# Altium PCB OR_TM2Space.PcbDoc (part 1 of 2)
Units mm, origin at the board's own origin, x right, y up, seen from the top; angles counter-clockwise.
Board outline 85.22 x 90.15 mm, 4 copper layers (Top Layer, GND1, GND2, Bottom Layer), stack 1.647 mm thick; 103 components, 73 nets, 476 pads, 666 vias.
Unrouted connection lines stored in the file: 103.
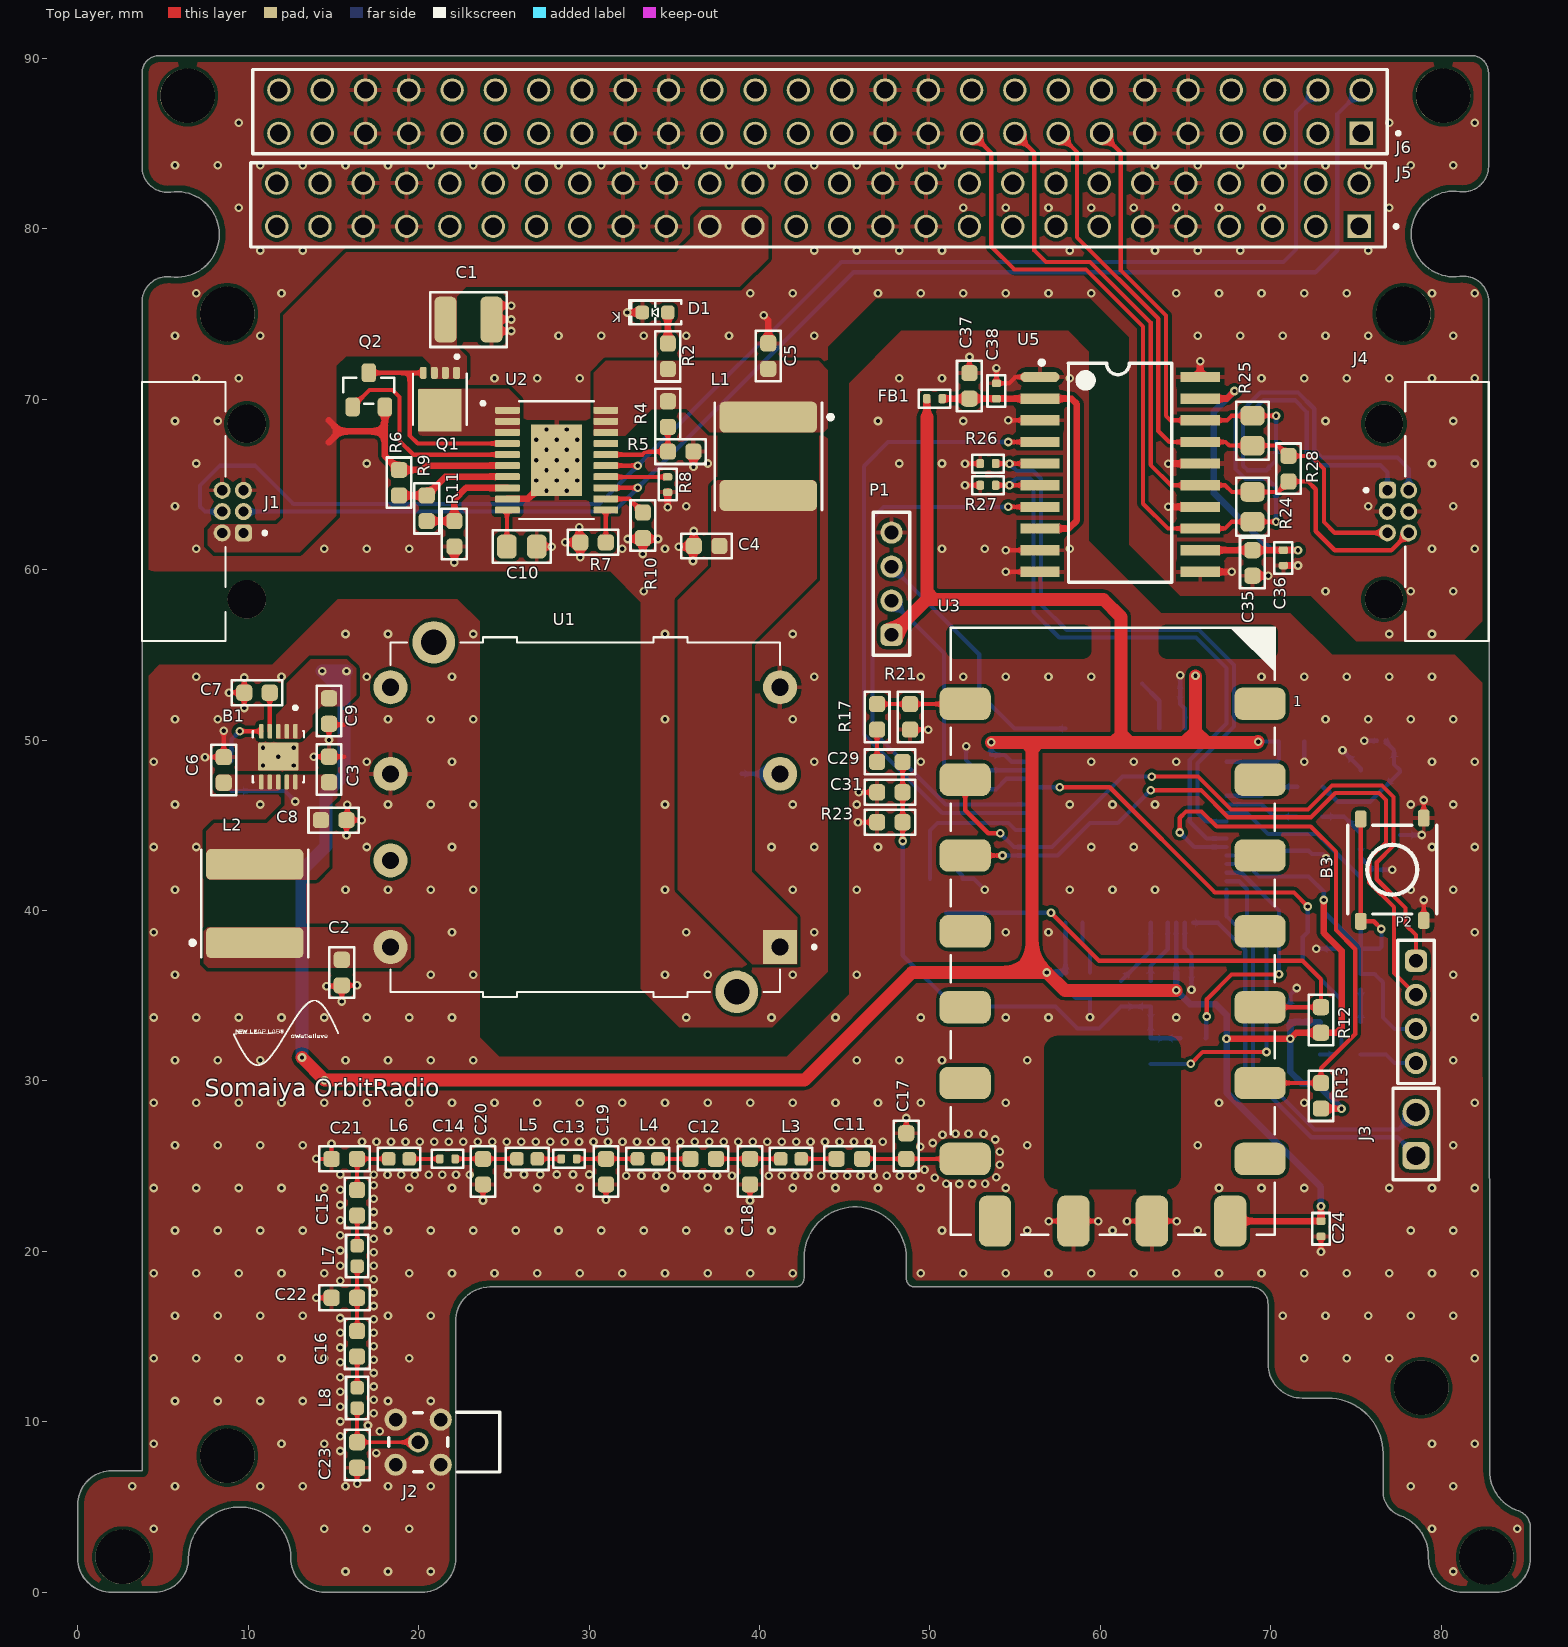
[diagram p0: Top Layer view]
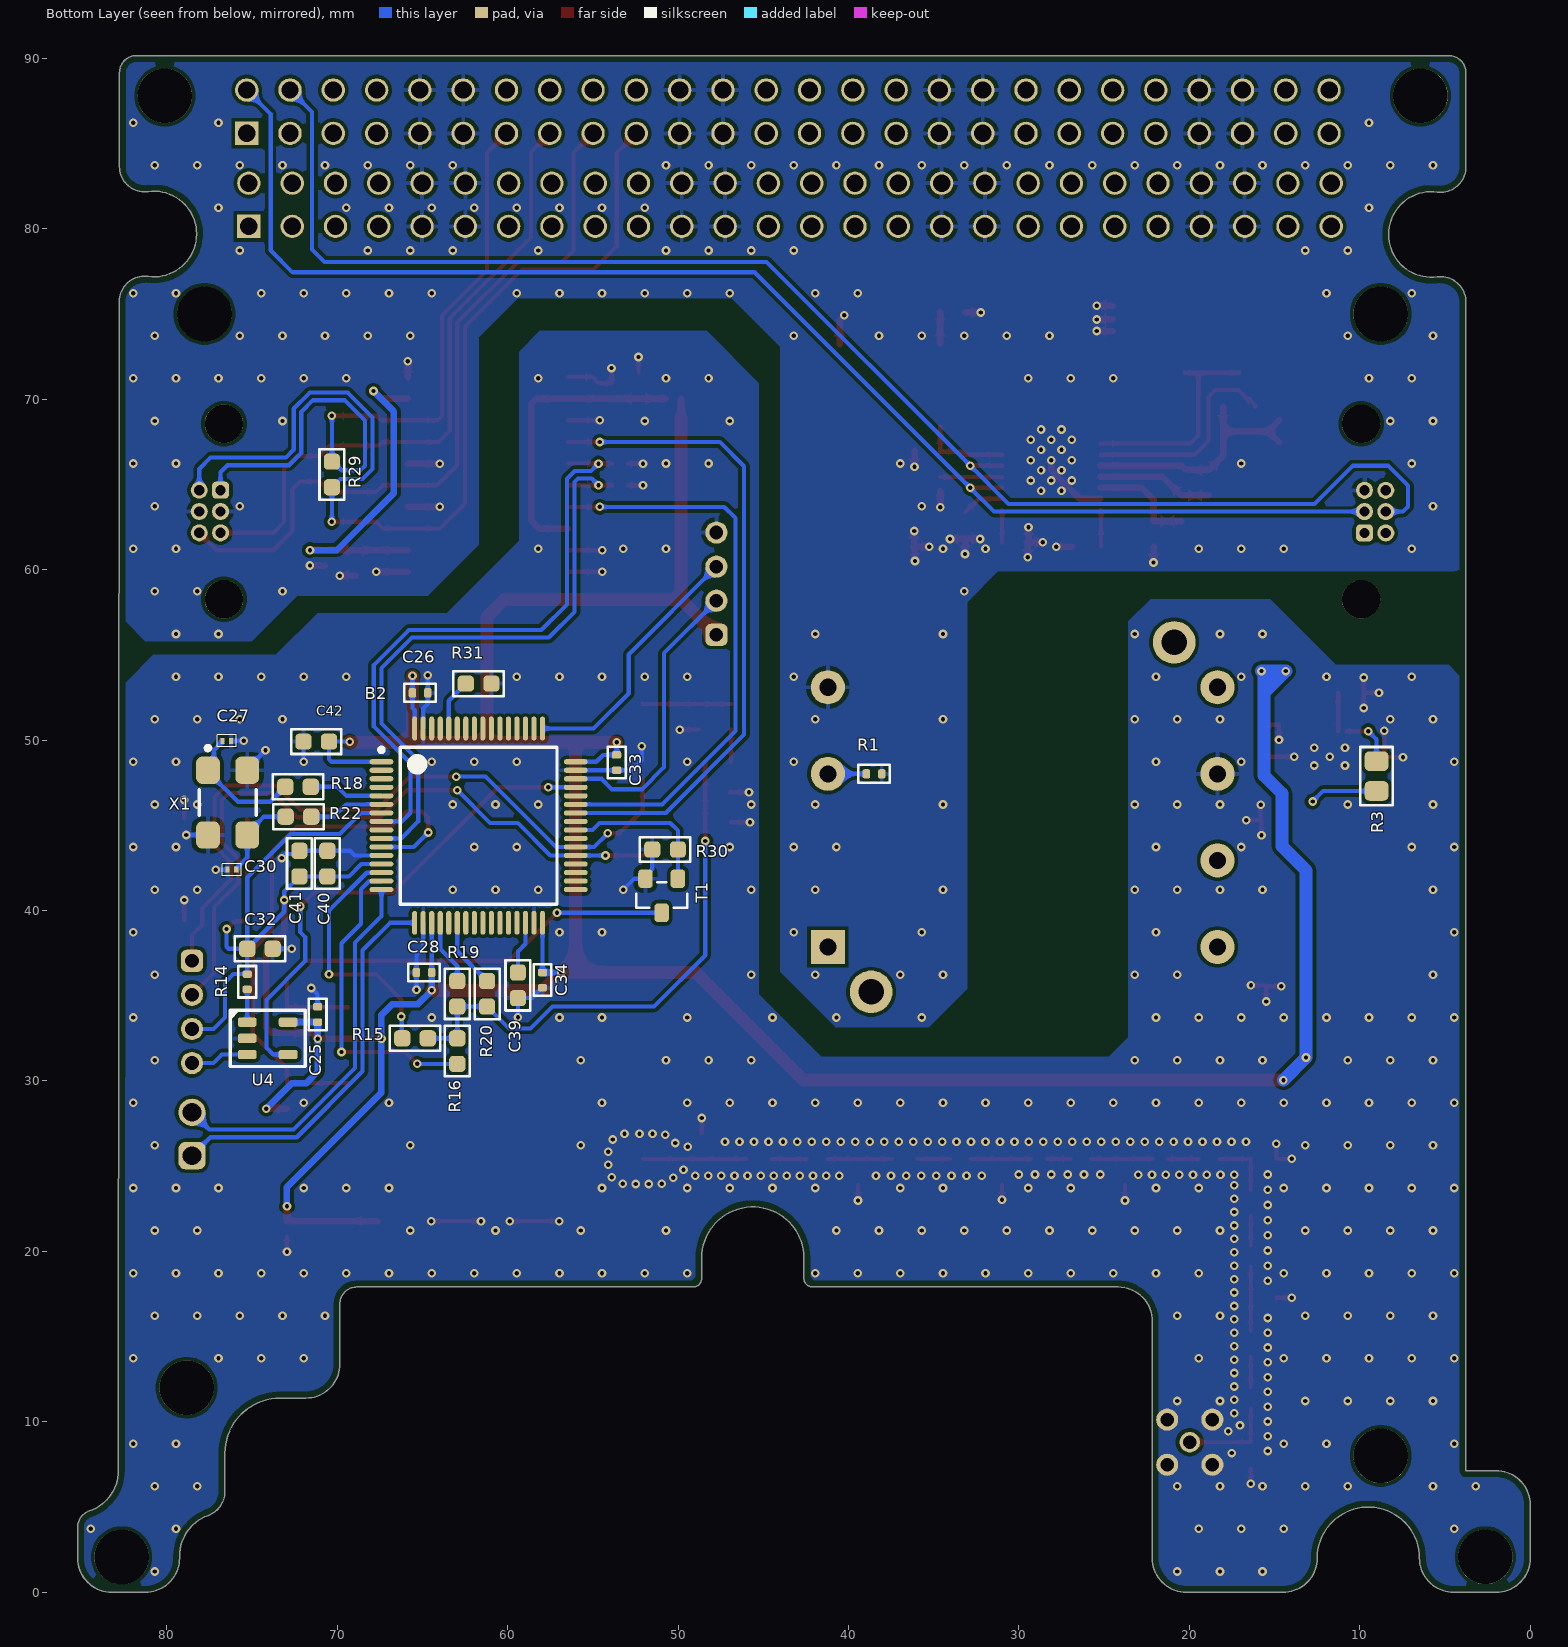
[diagram p1: Bottom Layer view, seen from below]
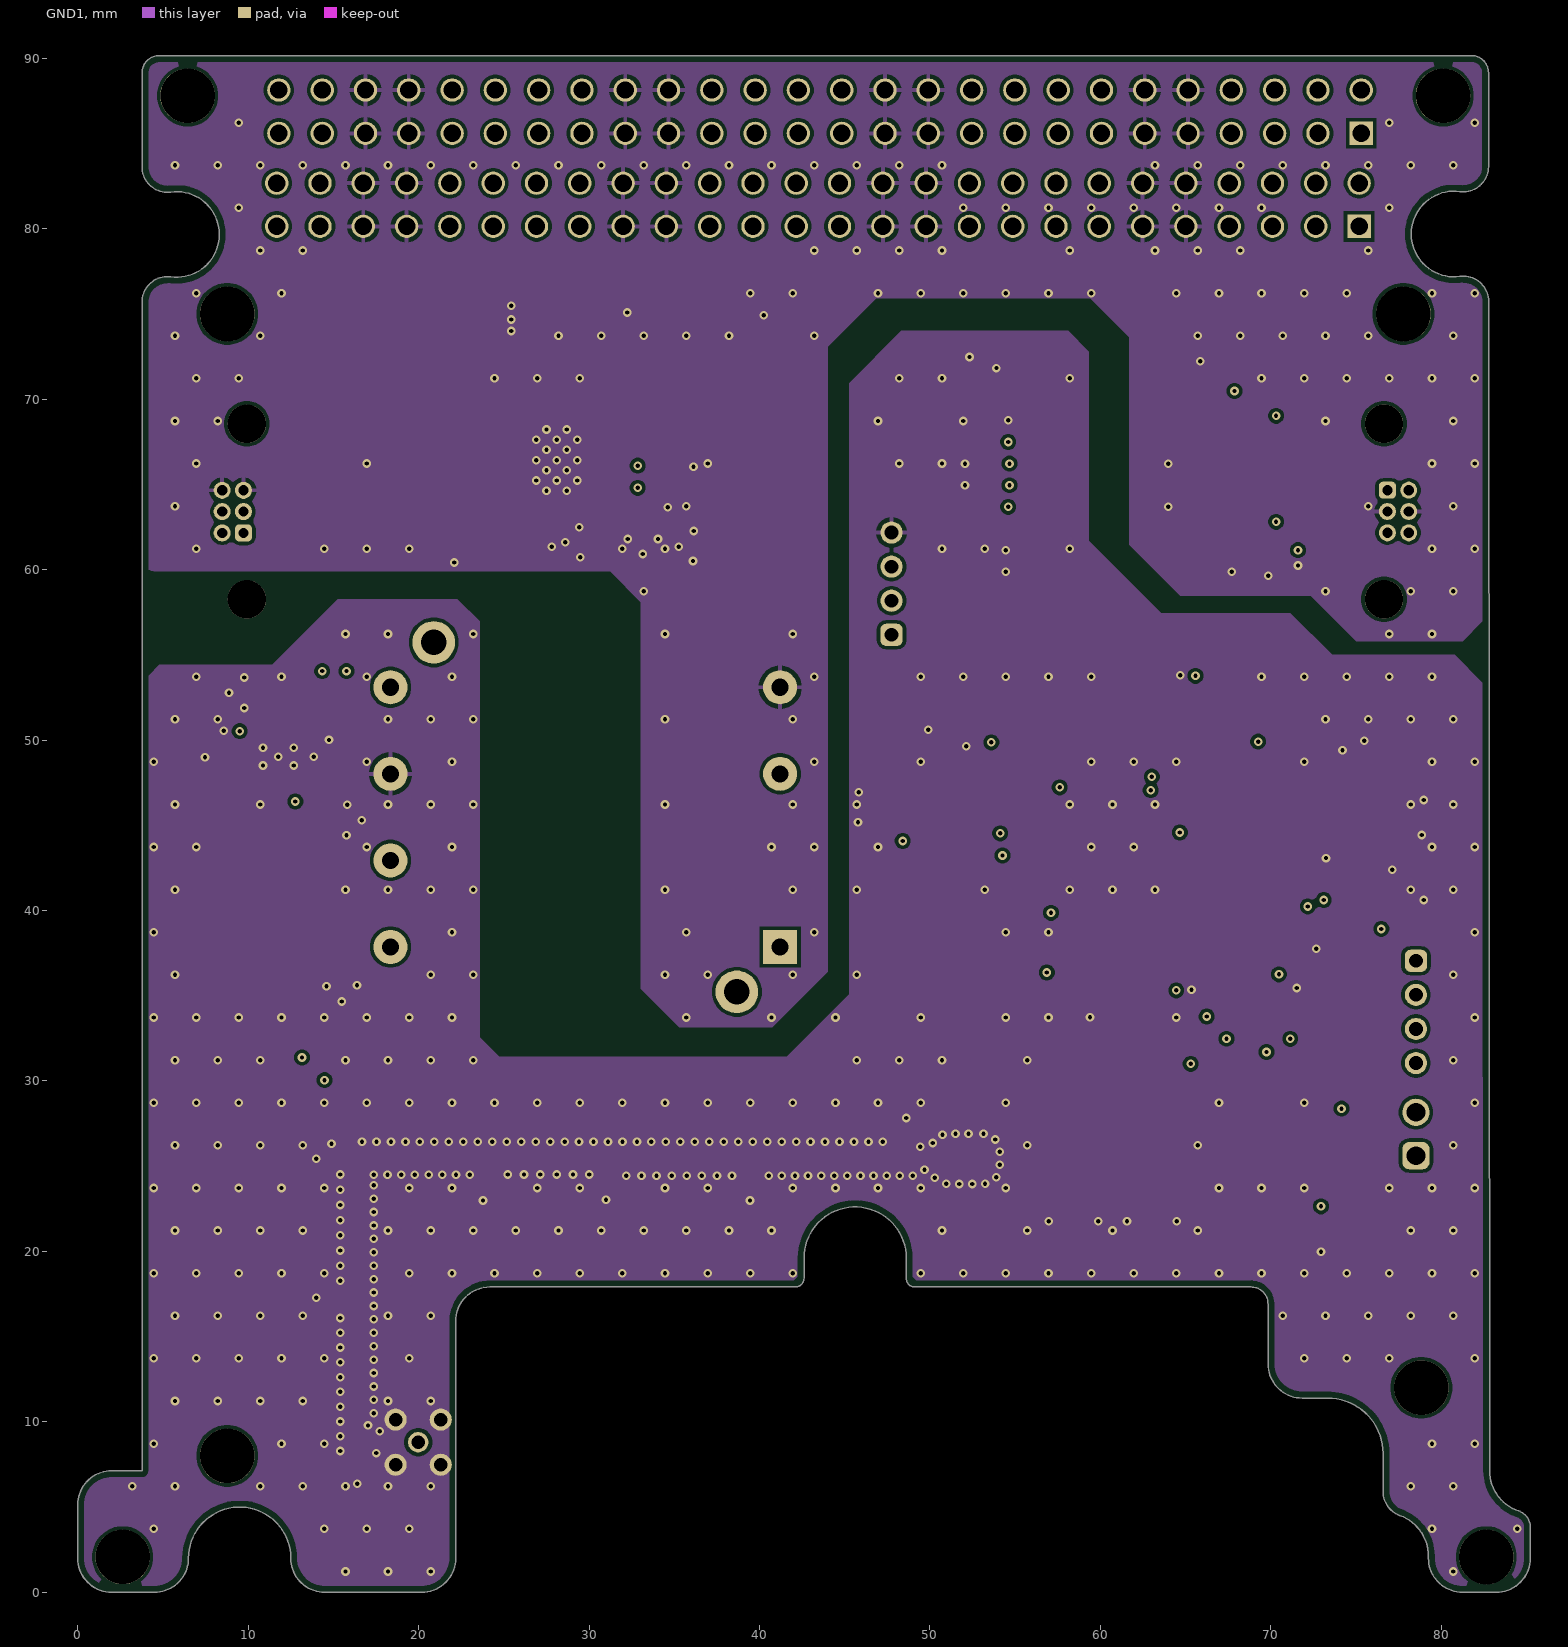
[diagram p2: GND1]
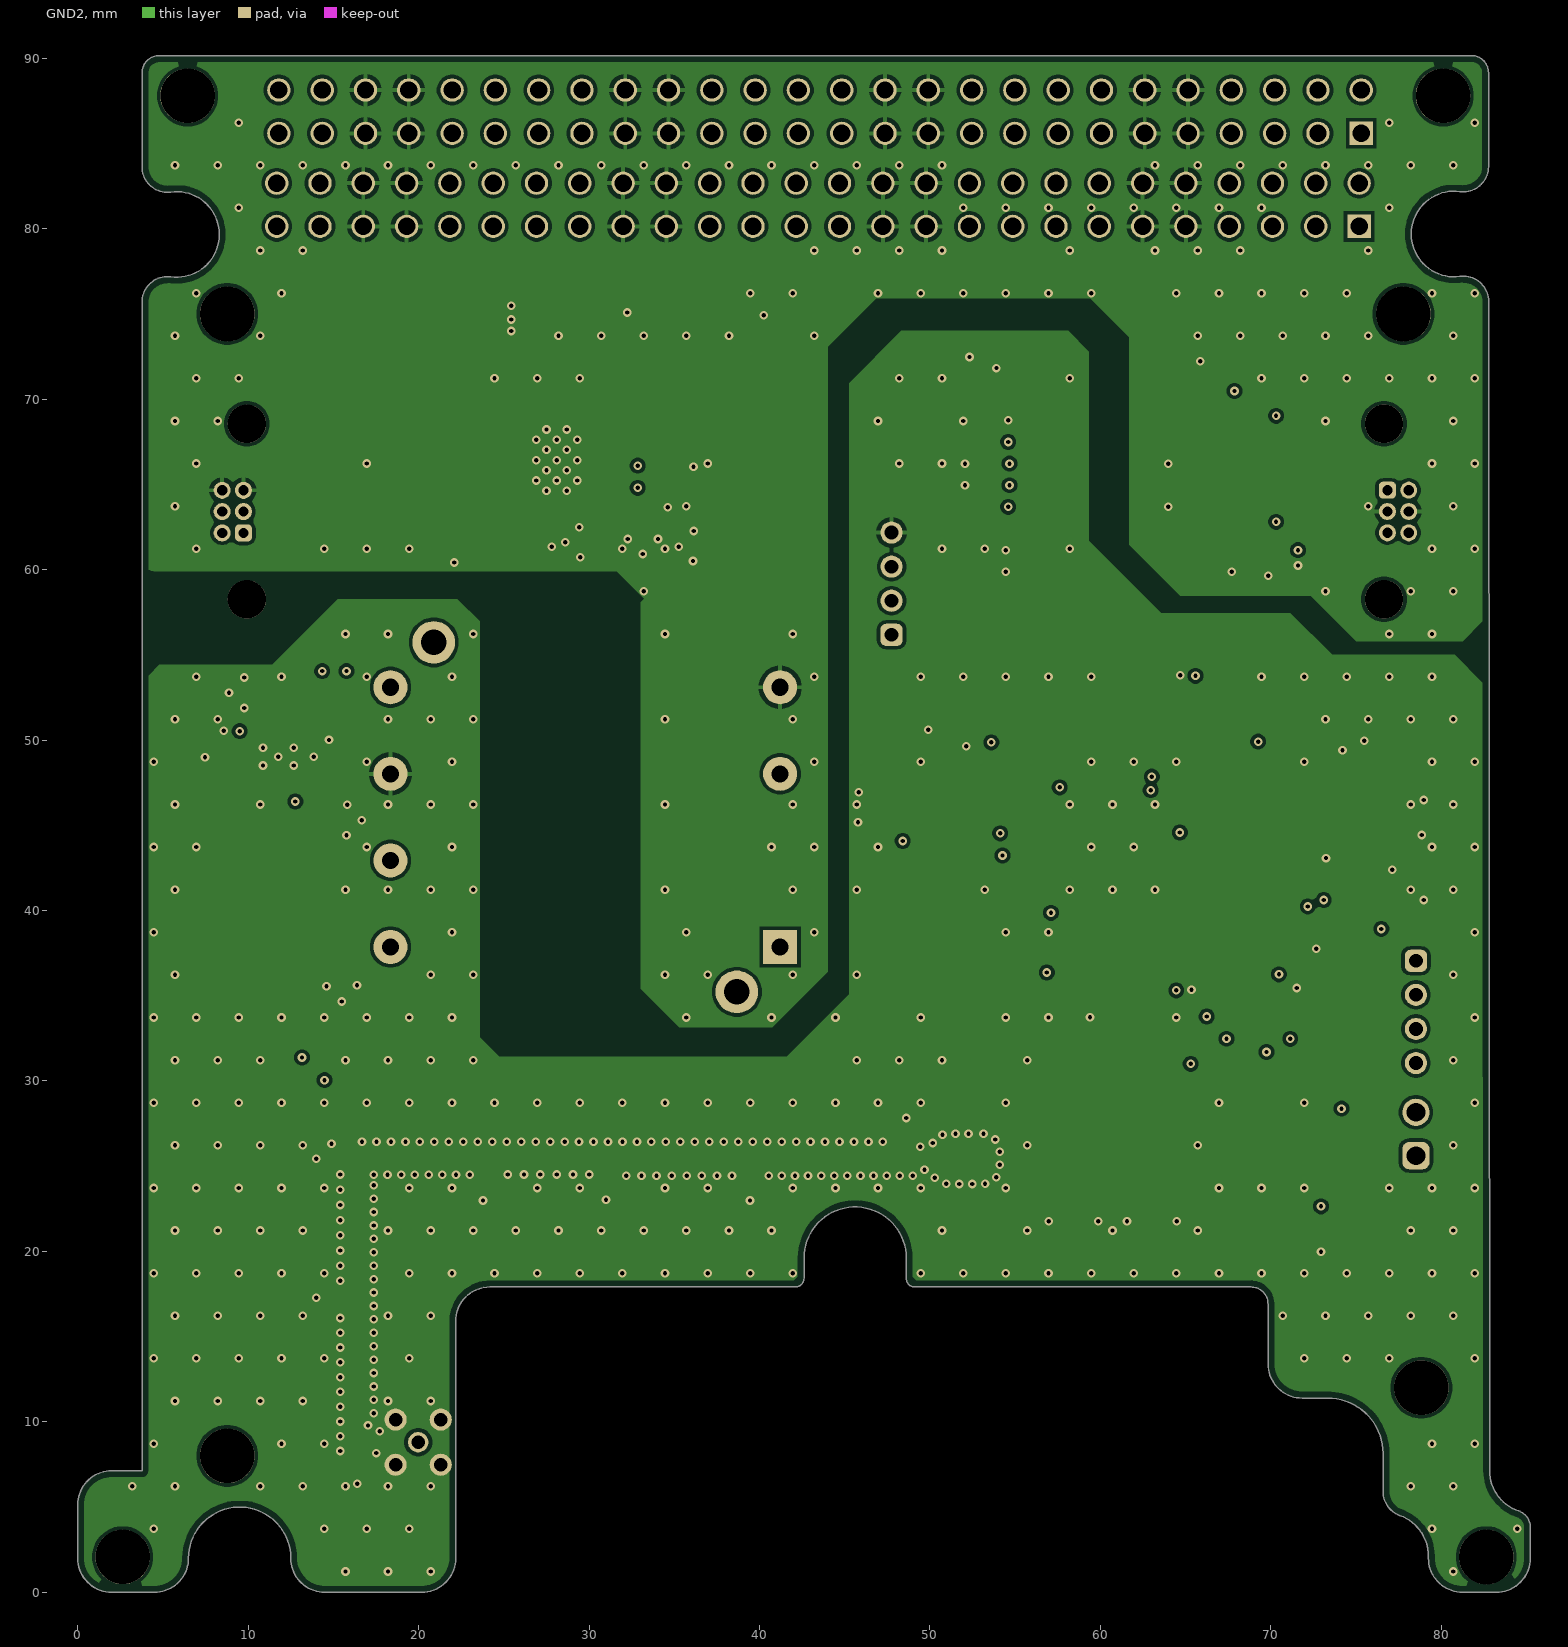
[diagram p3: GND2]
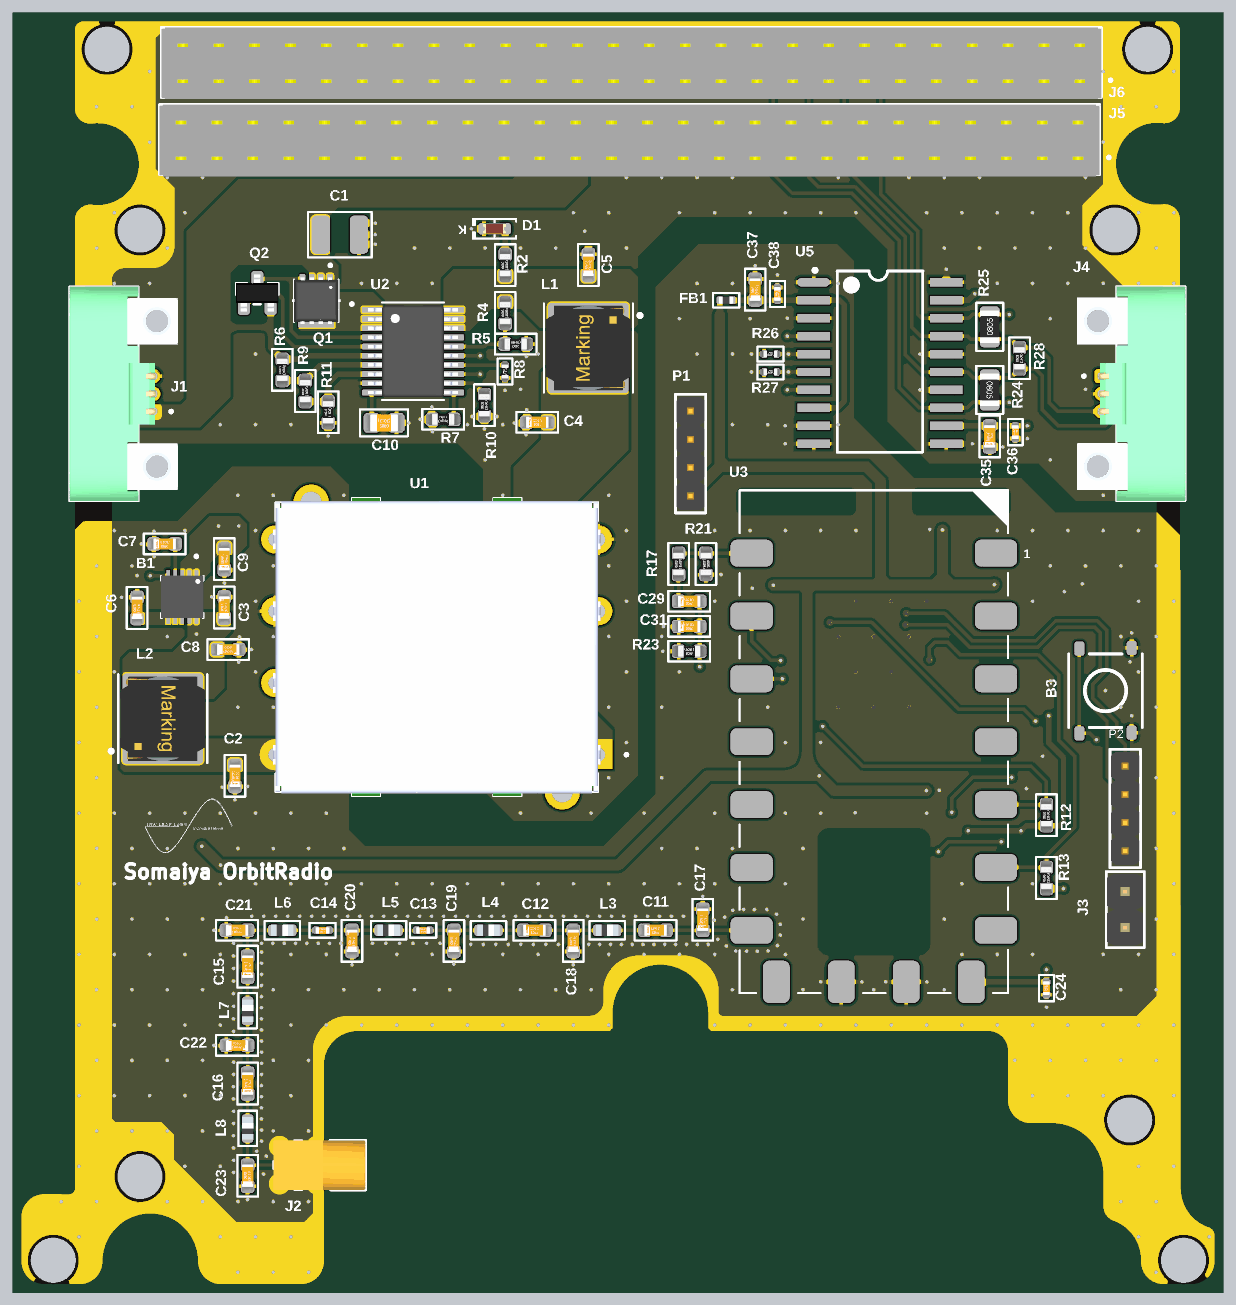
[diagram p5: 3D render of the assembled board from above, using the file's embedded part models]
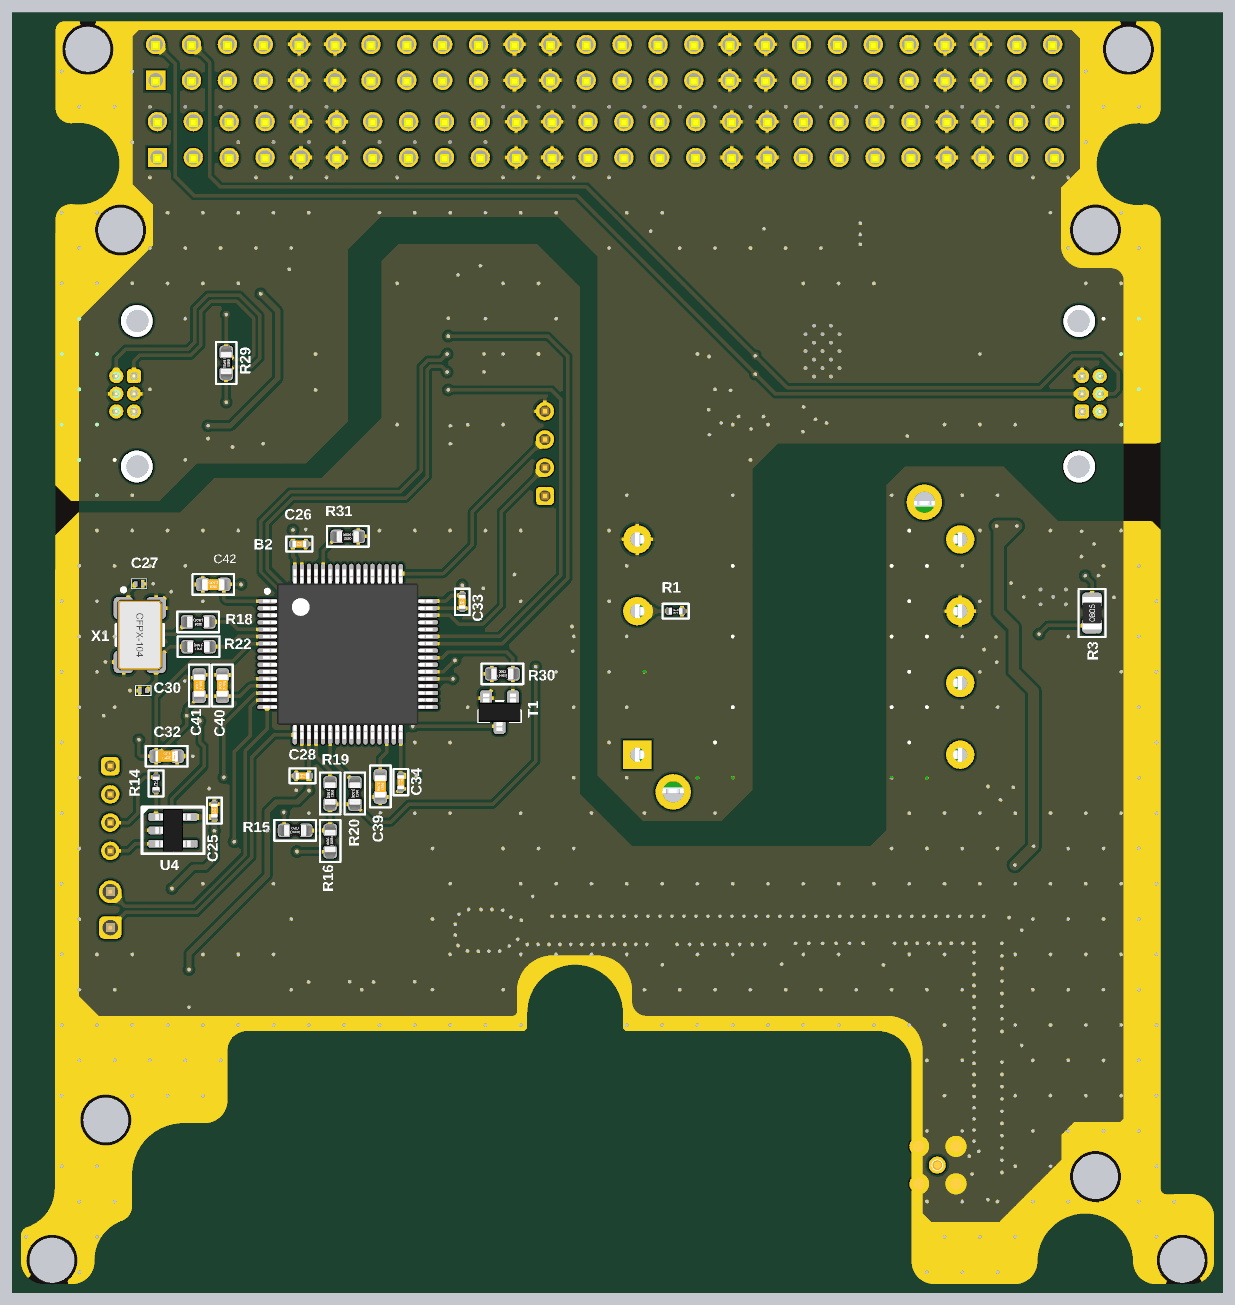
[diagram p6: 3D render of the assembled board from below, using the file's embedded part models]

## Layer stack, top to bottom
Top Solder: solder mask 0.0102, Solder Resist, Dk 4
Top Layer: signal copper 0.0356
Dielectric 4: prepreg 0.084, FR-4, Dk 4.3
Dielectric 2: prepreg 0.069, FR-4, Dk 4.3
GND1: signal copper 0.035
Dielectric 1: core 1.2, FR-4, Dk 4.3
GND2: signal copper 0.035
Dielectric 3: prepreg 0.069, FR-4, Dk 4.3
Dielectric 5: prepreg 0.084, FR-4, Dk 4.3
Bottom Layer: signal copper 0.0356
Bottom Solder: solder mask 0.0102, Solder Resist, Dk 4

## Board outline
0,2 ccw(c2,2) 2,0 4.5,0 ccw(c4.5,2) 6.5,2 cw(c9.5,2) 12.5,2 ccw(c14.5,2) 14.5,0 20.175,0 ccw(c20.175,2) 22.175,2 22.175,15.912 cw(c24.175,15.912) 24.175,17.912 42.112,17.912 ccw(c42.112,18.412) 42.612,18.412 42.612,19.612 cw(c45.612,19.612) 48.612,19.612 48.612,18.412 ccw(c49.112,18.412) 49.112,17.912 68.836,17.912 cw(c68.836,16.912) 69.836,16.912 69.836,13.395 ccw(c71.836,13.395) 71.836,11.395 73.336,11.395 cw(c73.336,8.145) 76.586,8.145 76.586,5.91 ccw(c78.086,5.91) 77.58,4.498 cw(c76.732,2.132) 79.245,2.132 79.245,2 ccw(c81.245,2) 81.245,0 83.22,0 ccw(c83.22,2) 85.22,2 85.22,3.824 ccw(c84.22,3.824) 84.538,4.772 cw(c85.332,7.142) 82.832,7.14 82.781,75.751 ccw(c81.294,75.727) 81.094,77.201 cw(c80.756,79.691) 81.09,82.182 ccw(c81.288,83.655) 82.775,83.634 82.771,89.158 ccw(c81.771,89.157) 81.888,90.15 4.775,90.15 ccw(c4.775,89.15) 3.775,89.15 3.775,83.627 ccw(c5.262,83.627) 5.461,82.153 cw(c5.797,79.663) 5.461,77.173 ccw(c5.262,75.699) 3.775,75.699 3.775,7.132 2.003,7.135 ccw(c2,5.135) 0,5.135

## Design rules (kind name [scope] priority, off if disabled: settings)
BoardOutlineClearance [All] p1: gap=0 ignorepadtopadclearanceinfootprint=FALSE except(0.381: Poly-OutlineEdge Poly-CavityEdge Poly-CutoutEdge Poly-SplitBarrior Poly-SplitContinuation)
Clearance Clearance_1 [All vs InNetClass('CPWG')] p1: gap=0.229 ignorepadtopadclearanceinfootprint=FALSE
Clearance [All] p2: gap=0.2 ignorepadtopadclearanceinfootprint=FALSE
HoleSize [All] p1: absolutevalues=TRUE maxlimit=3.2 minlimit=0.025 maxpercent=80.000 minpercent=20.000
MinimumSolderMaskSliver [All] p1: minsoldermaskwidth=0.102
PolygonConnect PolygonConnect_1 [All vs InNet('NetC2_1')] p1: connectstyle=Direct reliefconductorwidth=0.254 reliefentries=4 polygonreliefangle="90 Angle" airgapwidth=0.254
PolygonConnect [All] p2: thpad.connectstyle=Relief thpad.reliefconductorwidth=0.254 thpad.reliefentries=4 thpad.polygonreliefangle="90 Angle" thpad.airgapwidth=0.254 smdpad.connectstyle=Relief smdpad.reliefconductorwidth=0.254 smdpad.reliefentries=4 smdpad.polygonreliefangle="90 Angle" smdpad.airgapwidth=0.254 via.connectstyle=Direct via.reliefconductorwidth=0.254 via.reliefentries=4 via.polygonreliefangle="90 Angle" via.airgapwidth=0.254
RoutingVias [All] p1: holewidth=0.254 width=0.508 viastyle="Through Hole" minholewidth=0.254 minwidth=0.508 maxholewidth=0.254 maxwidth=0.508
SilkToSilkClearance [All] p1: silktosilkclearance=0.102
SilkToSolderMaskClearance [IsPad] p1: minsilkscreentomaskgap=0.102 clearancetoexposedcopper=TRUE
SolderMaskExpansion SolderMaskExpansion_1 [InComponent('B1') or InComponent('J1') or InComponent('J4')  or InComponent('C27') or InComponent('C30')  or InComponent('Q1') or InComponent('U2')] p1: expansion=0.025 istentingtop=FALSE
SolderMaskExpansion [All] p2: expansion=0.102 istentingtop=FALSE
SupplyNets "Schematic Supply Nets_5" [InNet('VSSA')] p1: voltage=0.000
SupplyNets "Schematic Supply Nets_3" [InNet('+3V3')] p2: voltage=0.000
SupplyNets "Schematic Supply Nets_2" [InNet('VCC_FUSED')] p3: voltage=0.000
SupplyNets "Schematic Supply Nets_1" [InNet('5V_E')] p4: voltage=0.000
SupplyNets "Schematic Supply Nets" [InNet('IGND')] p5: voltage=0.000
Width [InNetClass('CPWG')] p1: maxlimit=5 minlimit=0.224 preferedwidth=0.254 toplayer_maxwidth=0.224 toplayer_prefwidth=0.224 bottomlayer_maxwidth=0.224 bottomlayer_prefwidth=0.224 impedanceprofiledriven=TRUE impedanceprofileid={35819FCC-EC3D-4934-B920-56BB159B4F5D} impedanceprofilevalue=50.000000 minimp=50.000000 maximp=50.000000 favimp=50.000000
Width Width_1 [All] p2: maxlimit=2.54 minlimit=0.246 preferedwidth=0.254 toplayer_prefwidth=0.246 bottomlayer_prefwidth=0.246 impedanceprofiledriven=TRUE impedanceprofileid={6F834D7B-7200-4589-BA93-36762AEE406B} impedanceprofilevalue=50.000000 minimp=50.000000 maximp=50.000000 favimp=50.000000
26 further rules are at their usual default settings.

## Classes and differential pairs
net class CPWG: Ant NetC11_2 NetC12_1 NetC12_2 NetC13_1 NetC13_2 NetC14_1 NetC14_2 NetC15_1 NetC15_2 NetC16_1 NetC16_2 SMA
component class U_RF: C11 C12 C13 C14 C15 C16 C17 C18 C19 C20 C21 C22 C23 C24 J2 L3 L4 L5 L6 L7 L8 R12 R13 U3
component class U_Power: B1 C1 C2 C3 C4 C5 C6 C7 C8 C9 C10 D1 J1 L1 L2 Q1 Q2 R1 R2 R3 R4 R5 R6 R7 R8 R9 R10 R11 U1 U2
component class U_Controller: B2 B3 C25 C26 C27 C28 C29 C30 C31 C32 C33 C34 C39 C40 C41 C42 J3 P1 P2 R14 R15 R16 R17 R18 R19 R20 R21 R22 R23 R30 R31 T1 U4 X1
component class U_Connectors: C35 C36 C37 C38 FB1 J4 J5 J6 R24 R25 R26 R27 R28 R29 U5
